# Altium PCB PCB1.PcbDoc
Units mm, origin at the board's own origin, x right, y up, seen from the top; angles counter-clockwise.
Board outline 85.71 x 57.51 mm, 2 copper layers (Top Layer, Bottom Layer); 18 components, 15 nets, 89 pads, 4 vias.
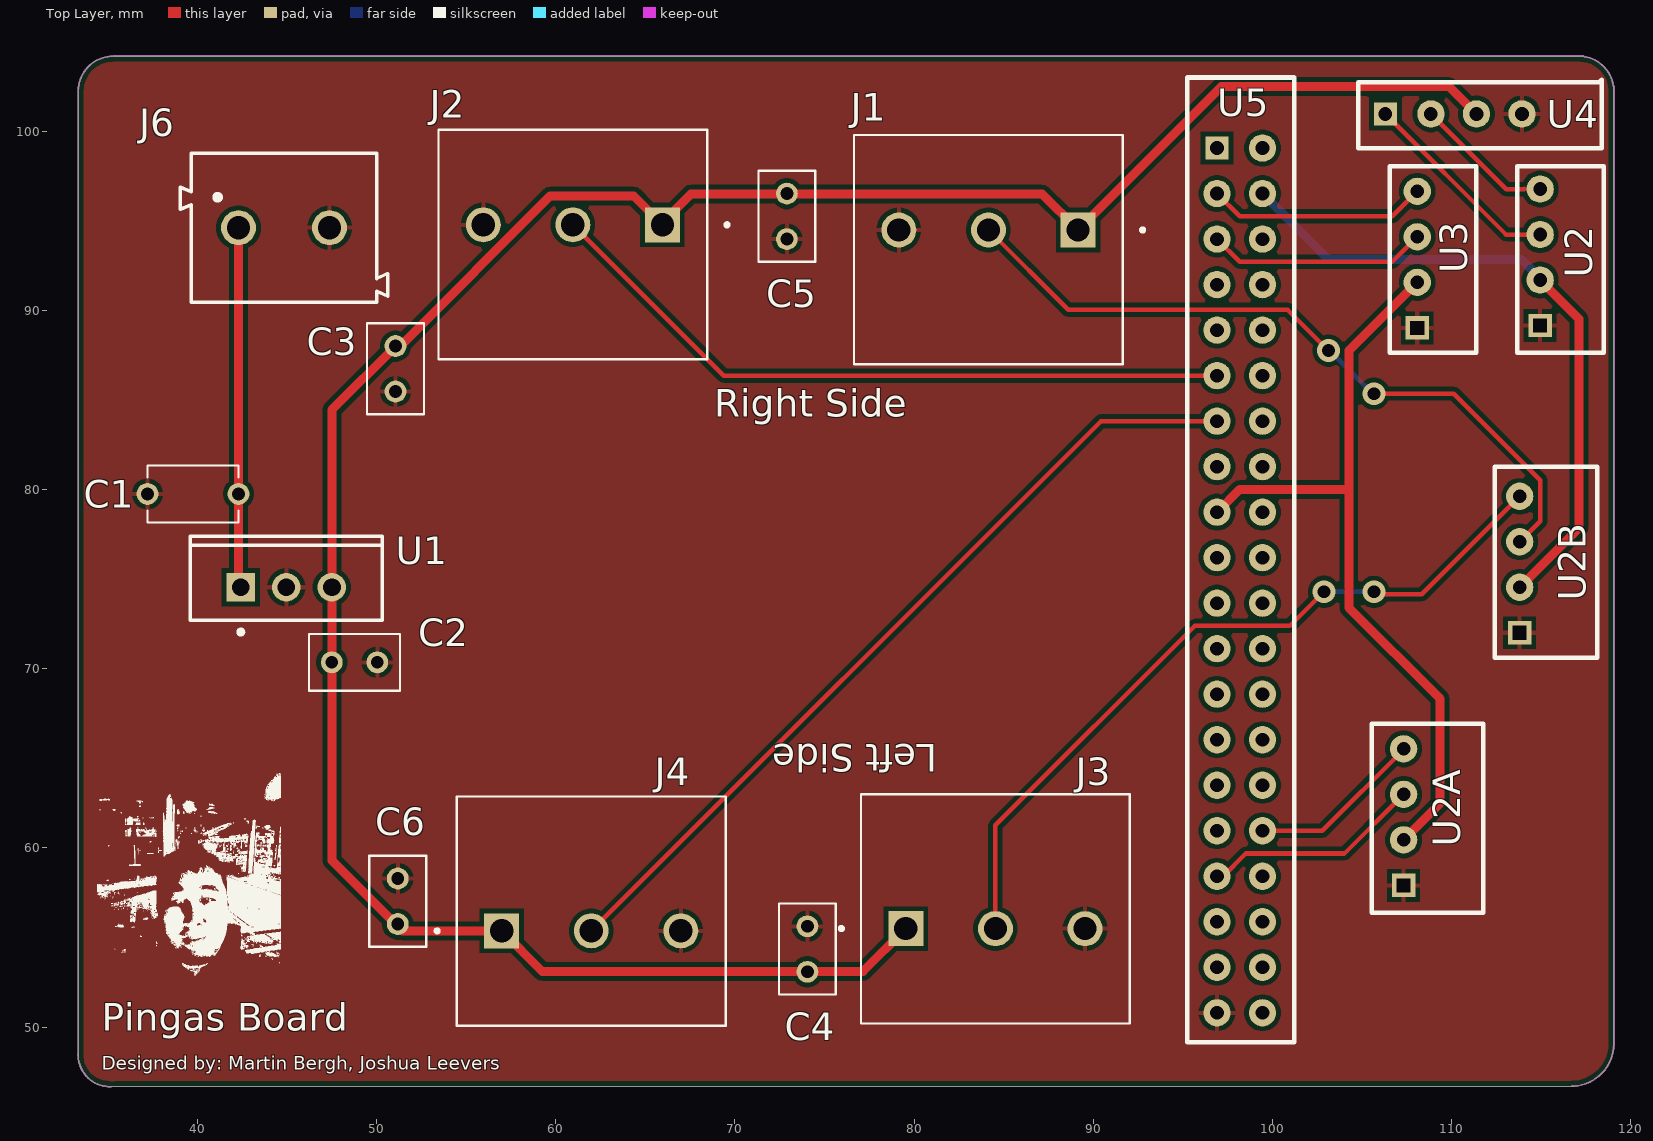
[diagram p0: Top Layer view]
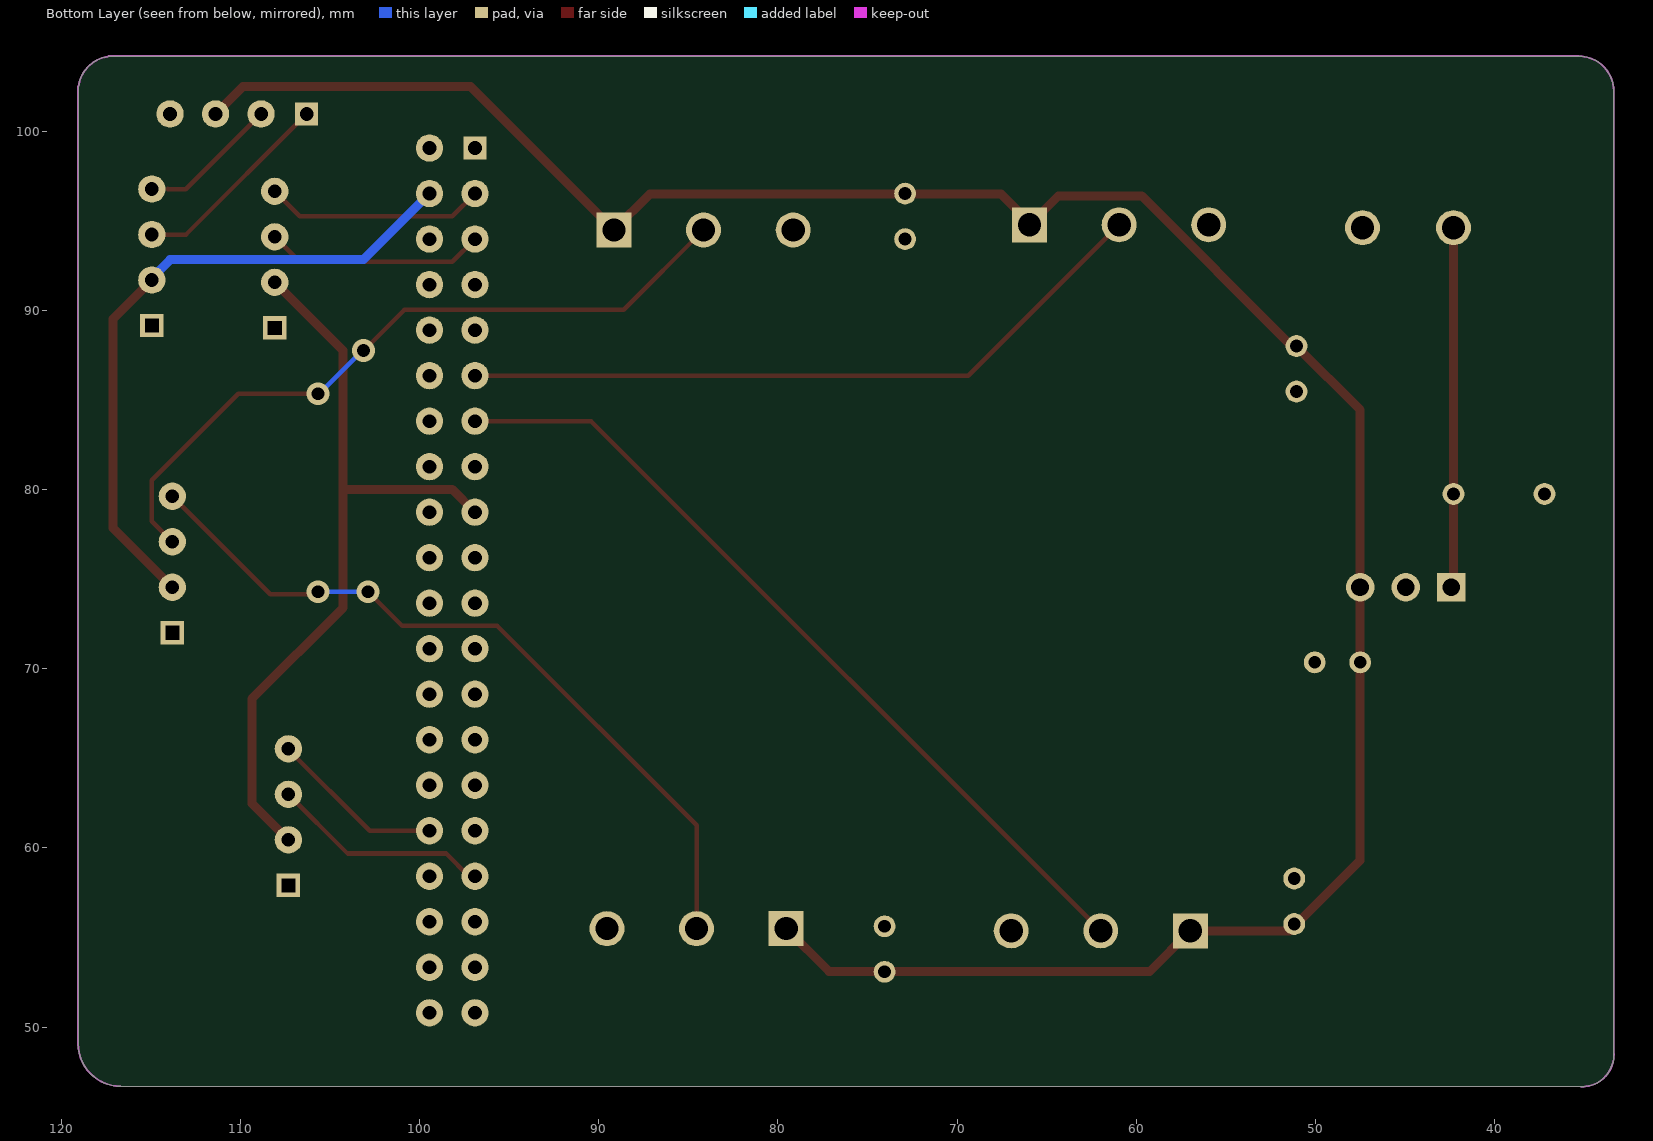
[diagram p1: Bottom Layer view, seen from below]

## Layer stack, top to bottom
Top Solder: solder mask 0.0102, Solder Resist, Dk 3.5
Top Layer: signal copper 0.0356
Dielectric 1: dielectric 0.32, FR-4, Dk 4.8
Bottom Layer: signal copper 0.0356
Bottom Solder: solder mask 0.0102, Solder Resist, Dk 3.5

## Board outline
35.181,46.676 cw(c35.115,48.45) 33.341,48.516 33.351,48.544 33.351,102.235 cw(c35.306,102.235) 35.306,104.19 117.348,104.19 117.39,104.168 cw(c117.094,102.235) 119.027,102.531 119.049,102.489 119.049,102.235 119.049,49.075 cw(c116.676,49.075) 116.676,46.702

## Design rules (kind name [scope] priority, off if disabled: settings)
Clearance [All] p1: gap=0.254 ignorepadtopadclearanceinfootprint=FALSE
PolygonConnect [All] p1: connectstyle=Relief reliefconductorwidth=0.254 reliefentries=4 polygonreliefangle="90 Angle" airgapwidth=0.254
RoutingVias [All] p1: holewidth=0.711 width=1.27 viastyle="Through Hole" minholewidth=0.711 minwidth=1.27 maxholewidth=0.711 maxwidth=1.27
SolderMaskExpansion [All] p1: expansion=0.102 istentingtop=FALSE
SupplyNets "Schematic Supply Nets_13" [InNet('LA(5V)')] p1: voltage=0.000
SupplyNets "Schematic Supply Nets_12" [InNet('PIV')] p2: voltage=0.000
SupplyNets "Schematic Supply Nets_11" [InNet('RA(5V)')] p3: voltage=0.000
SupplyNets "Schematic Supply Nets_10" [InNet('5V')] p4: voltage=0.000
SupplyNets "Schematic Supply Nets_9" [InNet('SCL')] p5: voltage=0.000
SupplyNets "Schematic Supply Nets_8" [InNet('LL')] p6: voltage=0.000
SupplyNets "Schematic Supply Nets_7" [InNet('RA')] p7: voltage=0.000
SupplyNets "Schematic Supply Nets_6" [InNet('SCL(5V)')] p8: voltage=0.000
SupplyNets "Schematic Supply Nets_5" [InNet('SDA')] p9: voltage=0.000
SupplyNets "Schematic Supply Nets_4" [InNet('3V3')] p10: voltage=0.000
SupplyNets "Schematic Supply Nets_3" [InNet('SDA(5V)')] p11: voltage=0.000
SupplyNets "Schematic Supply Nets_2" [InNet('LA')] p12: voltage=0.000
SupplyNets "Schematic Supply Nets_1" [InNet('RL')] p13: voltage=0.000
SupplyNets "Schematic Supply Nets" [InNet('GND')] p14: voltage=0.000
Width [All] p1: maxlimit=0.8 minlimit=0.2 preferedwidth=0.4 minimp=50.000000 maximp=50.000000 favimp=50.000000
30 further rules are at their usual default settings.

## Components (designator, comment, footprint, x,y, rotation, side; value= is the part's Value field where it differs from the comment)
C1 "SR215E224MARTR" CAPRR508W50L508T317H508 39.751,79.756 r0 top value=220nF
C2 "SR201E104MARTR" CAPRR254W50L508T317H508 48.768,70.358 r0 top value=100nF
C3 "SR201E104MARTR" CAPRR254W50L508T317H508 51.054,86.741 r90 top value=100nF
C4 "SR201E104MARTR" CAPRR254W50L508T317H508 74.041,54.356 r270 top value=100nF
C5 "SR201E104MARTR" CAPRR254W50L508T317H508 72.898,95.25 r90 top value=100nF
C6 "SR201E104MARTR" CAPRR254W50L508T317H508 51.181,57.023 r270 top value=100nF
J1 "1714036" PHOENIX_1714036 91.645,99.788 r180 top
J2 "1714036" PHOENIX_1714036 68.453,100.076 r180 top
J3 "1714036" PHOENIX_1714036 77.035,50.199 r0 top
J4 "1714036" PHOENIX_1714036 54.478,50.072 r0 top
J6 "691213510002" 691213510002 44.831,94.615 r0 top
U1 "LM340T" NDE0003A 44.958,74.549 r0 top
U2 "XC3706 Reciever" "XC3706 Reciever" 114.935,89.154 r90 top
U2A "XC3706 Reciever" "XC3706 Reciever" 107.315,57.912 r90 top
U2B "XC3706 Reciever" "XC3706 Reciever" 113.792,72.009 r90 top
U3 "XC3706 Reciever" "XC3706 Reciever" 108.077,89.027 r90 top
U4 "ARDUINO HEADER" "ARDUINO HEADER" 106.299,100.965 r0 top
U5 "Pi4 IO" "PI4 GPIO" 99.441,99.06 r270 top

## Footprints (in the part's own frame and the unit in brackets; to place one, negate y for a bottom-side part, rotate by r counter-clockwise, add the part's x,y. Pads: shape width x height; smd on the part's side, far side on the other; paste and mask are expansions set on the pad)
691213510002 [mm]
  round 1.95 hole 1.3: 1(-2.54,0) 2(2.54,0)
  silkscreen extent -5.78,-4.15 5.78,4.15, body extent -6.35,-3.67 5.01,4.43, height 10
"ARDUINO HEADER" [mil]
  rect 51.18x51.18 hole 30 paste-99999 mask-99999: 1(0,0)
  round 60 hole 30: 2(100,0) 3(200,0) 4(300,0)
CAPRR254W50L508T317H508 [mm]
  round 1.218 hole 0.71: 1(-1.27,0) 2(1.27,0)
  silkscreen extent -2.54,-1.59 2.54,1.59, body extent -2.54,-1.59 2.54,1.59, height 5.08
CAPRR508W50L508T317H508 [mm]
  round 1.218 hole 0.71: 1(-2.54,0) 2(2.54,0)
  silkscreen extent -2.54,-1.59 2.54,1.59
NDE0003A [mm] "FM, 3-Leads, Body 10.7x4.7mm, Pitch 2.54mm"
  rect 1.6x1.6 hole 1: 1(-2.54,0)
  round 1.6 hole 1: 2(0,0) 3(2.54,0)
  silkscreen extent -5.35,-2.62 5.35,2.85, body extent -5.4,-1.9 5.4,2.9, height 19.4
PHOENIX_1714036 [mm]
  rect 1.95x1.95 / inner round 1.95 / far side rect 1.95x1.95 hole 1.3: 1(2.5,5.3)
  round 1.95 hole 1.3: 2(7.5,5.3) 3(12.5,5.3)
  silkscreen extent -1.2,0 15,12.8
"PI4 GPIO" [mil]
  round 60 hole 30: 1(0,0) 2(100,0) 3(200,0) 4(300,0) 5(400,0) 6(500,0) 7(600,0) 8(700,0) 9(800,0) 10(900,0) 11(1000,0) 12(1100,0) 13(1200,0) 14(1300,0) 15(1400,0) 16(1500,0) 17(1600,0) 18(1700,0) 19(1800,0) 20(1900,0) 21(1900,-100) 22(1800,-100) 23(1700,-100) 24(1600,-100) 25(1500,-100) 26(1400,-100) 27(1300,-100) 28(1200,-100) 29(1100,-100) 30(1000,-100) 31(900,-100) 32(800,-100) 33(700,-100) 34(600,-100) 35(500,-100) 36(400,-100) 37(300,-100) 38(200,-100) 39(100,-100)
  rect 51.18x51.18 hole 30 paste-99999 mask-99999: 40(0,-100)
"XC3706 Reciever" [mil]
  rect 51.18x51.18 hole 30 square mask-99999: 1(0,0)
  round 60 hole 30: 2(100,0) 3(200,0) 4(300,0)

## Part data
C1: library part CMP-001-00086-1, "SR 220nF Ceramic Multilayer Cap,50V dc,+85C,Z5U Dielectric,+/-20%,Through Hole", Case/Package="Radial AVX", Check_prices=https://www.snapeda.com/parts/SR215E224MARTR/Kyocera/view-part/?ref=eda, Component Type=Standard, Design Item ID=SR215E224MARTR, MF="KYOCERA AVX", MP=SR215E224MARTR, Pins=2, SnapEDA_Link=https://www.snapeda.com/parts/SR215E224MARTR/Kyocera/view-part/?ref=snap, Source=SR215E224MARTR.SchLib
C2 C3 C4 C5 C6: library part CMP-001-00087-1, "SR 100nF Ceramic Multilayer Cap,100V dc,+85C,Z5U Dielectric,+/-20%,Through Hole", Case/Package=None, Check_prices=https://www.snapeda.com/parts/SR201E104MARTR/Kyocera/view-part/?ref=eda, Component Type=Standard, Design Item ID=SR201E104MARTR, MF="KYOCERA AVX", MP=SR201E104MARTR, Pins=2, SnapEDA_Link=https://www.snapeda.com/parts/SR201E104MARTR/Kyocera/view-part/?ref=snap, Source=SR201E104MARTR.SchLib
J1 J2 J3 J4: library part CMP-014-000001-1, "PCB Terminal Screw 5mm 12AWG 400V 24A 3 Position COMBICON MKDSP Series", Package=None, Check_prices=https://www.snapeda.com/parts/1714036/Phoenix+Contact/view-part/?ref=eda, Component Type=Standard, Design Item ID=1714036, MF="Phoenix Contact", MP=1714036, Pin Count=3, SnapEDA_Link=https://www.snapeda.com/parts/1714036/Phoenix+Contact/view-part/?ref=snap, Source=1714036.SchLib
J6: library part CMP-014-000000-1, "2 Position Wire to Board Terminal Block Horizontal with Board 0.200 (5.08mm) Through Hole", Package=None, Check_prices=https://www.snapeda.com/parts/691213510002/W%25C3%25BCrth+Elektronik+Midcom/view-part/?ref=eda, Component Type=Standard, Design Item ID=691213510002, MF="WÃ¼rth Elektronik", MP=691213510002, Pin Count=2, SnapEDA_Link=https://www.snapeda.com/parts/691213510002/W%25C3%25BCrth+Elektronik+Midcom/view-part/?ref=snap, Source=691213510002.SchLib
U1: library part CMP-019-00049-1, "Pwr Sply Func, Voltage Regulator, Positive Voltage Out, TO-220, IS 6mA, VO 5V, Vn 40uV", Case/Package=TO-220, Dropout Voltage=2V, Max Operating Temperature=125°C, Max Supply Voltage=35V, Min Operating Temperature=0°C, Output Current=1A, Output Voltage=5V, Mounting Technology="Through Hole", Pins=3

## Via types
v1: diameter 1.27, hole 0.711, Top Layer to Bottom Layer, 4 vias

## Nets (pads, with @x,y where several pads share a name; then routed paths per layer and width w, separated by ;. In a path a pad name is that pad's centre, name@x,y a point inside that pad or via, vN(x,y) a via of type N, cw(c..) or ccw(c..) an arc to the next point about the centre after c; other vN are vias at no path point)
3V3: U2A.2 U3.2 U5.32 | length 43.5
  Top Layer w0.5: U5.32 98.175,80.014 104.267,80.014 ; U2A.2 109.347,62.484 109.347,68.326 104.267,73.406 104.267,80.014 ; U3.2 104.267,87.757 104.267,80.014
5V: C2.1 C3.2 C4.2 C5.2 C6.2 J1.1 J2.1 J3.1 J4.1 U1.3 U4.3 | length 136.1
  Top Layer w0.5: J2.1@65.659,94.615 J2.1@65.887,94.843 ; J2.1 J2.1@65.887,94.843 ; J3.1 77.14,53.104 74.168,53.104 73.025,53.104 59.246,53.104 J4.1 51.435,55.372 47.498,59.309 C2.1 U1.3 47.498,84.455 C3.2 51.308,88.011 59.69,96.393 64.336,96.393 J2.1@65.887,94.843 ; U4.3 109.855,102.489 97.146,102.489 J1.1 87.131,96.502 72.898,96.502 67.546,96.502 J2.1@65.887,94.843
GND: C1.1 C2.2 C3.1 C4.1 C5.1 C6.1 J1.3 J2.3 J3.3 J4.3 J6.2 U1.2 U2.1 U2A.1 U2B.1 U3.1 U4.4 U5.21
LA: U2A.4 U5.16 | length 9.8
  Top Layer w0.254: U5.16 102.78,60.96 107.315,65.495 U2A.4
LA(5V): J3.2 U2B.4 | length 42.7
  Top Layer w0.254: J3.2 84.535,61.261 95.664,72.39 100.965,72.39 v1(102.87,74.295) ; v1(105.664,74.295) 105.791,74.168 108.331,74.168 U2B.4
  Bottom Layer w0.254: v1(102.87,74.295) v1(105.664,74.295)
LL: J4.2 U5.34 | length 47
  Top Layer w0.254: J4.2@61.735,55.131 90.424,83.82 U5.34
PIV: U2.2 U2B.2 U5.2 | length 37.2
  Top Layer w0.5: U2B.2 117.094,77.851 117.094,89.535 U2.2
  Bottom Layer w0.5: U5.2 103.124,92.837 113.919,92.837 U2.2@115.189,91.567
RA: U2A.3 U5.24 | length 12.3
  Top Layer w0.254: U5.24 97.245,58.42 98.515,59.69 104.013,59.69 U2A.3
RA(5V): J1.2 U2B.3 | length 40.5
  Top Layer w0.254: J1.2 88.59,90.043 100.838,90.043 v1(103.124,87.757) ; v1(105.664,85.344) 110.109,85.344 114.935,80.518 114.935,78.232 U2B.3
  Bottom Layer w0.254: v1(103.124,87.757) 103.188,87.757 105.6,85.344 v1(105.664,85.344)
RL: J2.2 U5.35 | length 39.4
  Top Layer w0.254: J2.2 69.369,86.36 U5.35
SCL: U3.4 U5.39 | length 12.3
  Top Layer w0.254: U5.39 98.171,95.25 106.68,95.25 U3.4
SCL(5V): U2.4 U4.2 | length 7
  Top Layer w0.254: U4.2 113.052,96.752 114.024,96.752 114.046,96.774
SDA: U3.3 U5.38 | length 12.3
  Top Layer w0.254: U5.38 98.171,92.71 106.68,92.71 U3.3
SDA(5V): U2.3 U4.1 | length 11.4
  Top Layer w0.254: U4.1 113.03,94.234 U2.3
VIN: C1.2 J6.1 U1.1 | length 19.9
  Top Layer w0.254: U1.1@42.291,74.676 U1.1 ; J6.1@42.291,94.234 J6.1@42.418,94.361
  Top Layer w0.5: U1.1@42.291,74.676 C1.2 J6.1@42.291,94.234
pads on no net: U5.1 U5.3 U5.4 U5.5 U5.6 U5.7 U5.8 U5.9 U5.10 U5.11 U5.12 U5.13 U5.14 U5.15 U5.17 U5.18 U5.19 U5.20 U5.22 U5.23 U5.25 U5.26 U5.27 U5.28 U5.29 U5.30 U5.31 U5.33 U5.36 U5.37 U5.40

## Polygon pours and split planes (outlines as drawn)
GND on Top Layer "GND_L01_P000" (solid, pour order 0): 33.528,104.013 33.528,46.736 118.872,46.736 118.999,46.863 118.999,104.14

## Keep-outs
Keep-Out Layer:
  the board outline again, w0.1

## Silkscreen, mask and mechanical layers (free items; w line width, h text height)
Top Overlay:
  drawing of 1729 lines, arcs and shapes, not listed
  text "Right Side" at 68.834,84.074 h1.52
  text "Left Side" at 81.276,65.786 h1.52 r180
  text "Pingas Board" at 34.671,49.784 h1.52
  text "Designed by: Martin Bergh, Joshua Leevers" at 34.671,47.625 h0.76
Mechanical 1:
  lines w0.1: 33.392,48.514 ccw(c35.115,48.45) 35.179,46.727 ; 33.401,48.514 33.401,102.235 cw(c35.306,102.235) 35.306,104.14 117.348,104.14 ; 35.179,46.736 116.676,46.752 ccw(c116.676,49.075) 118.999,49.075 118.999,102.489 ; 117.094,104.14 cw(c117.094,102.235) 118.999,102.235